# KiCad board dalishen_pi_h7p20.kicad_pcb (continued)
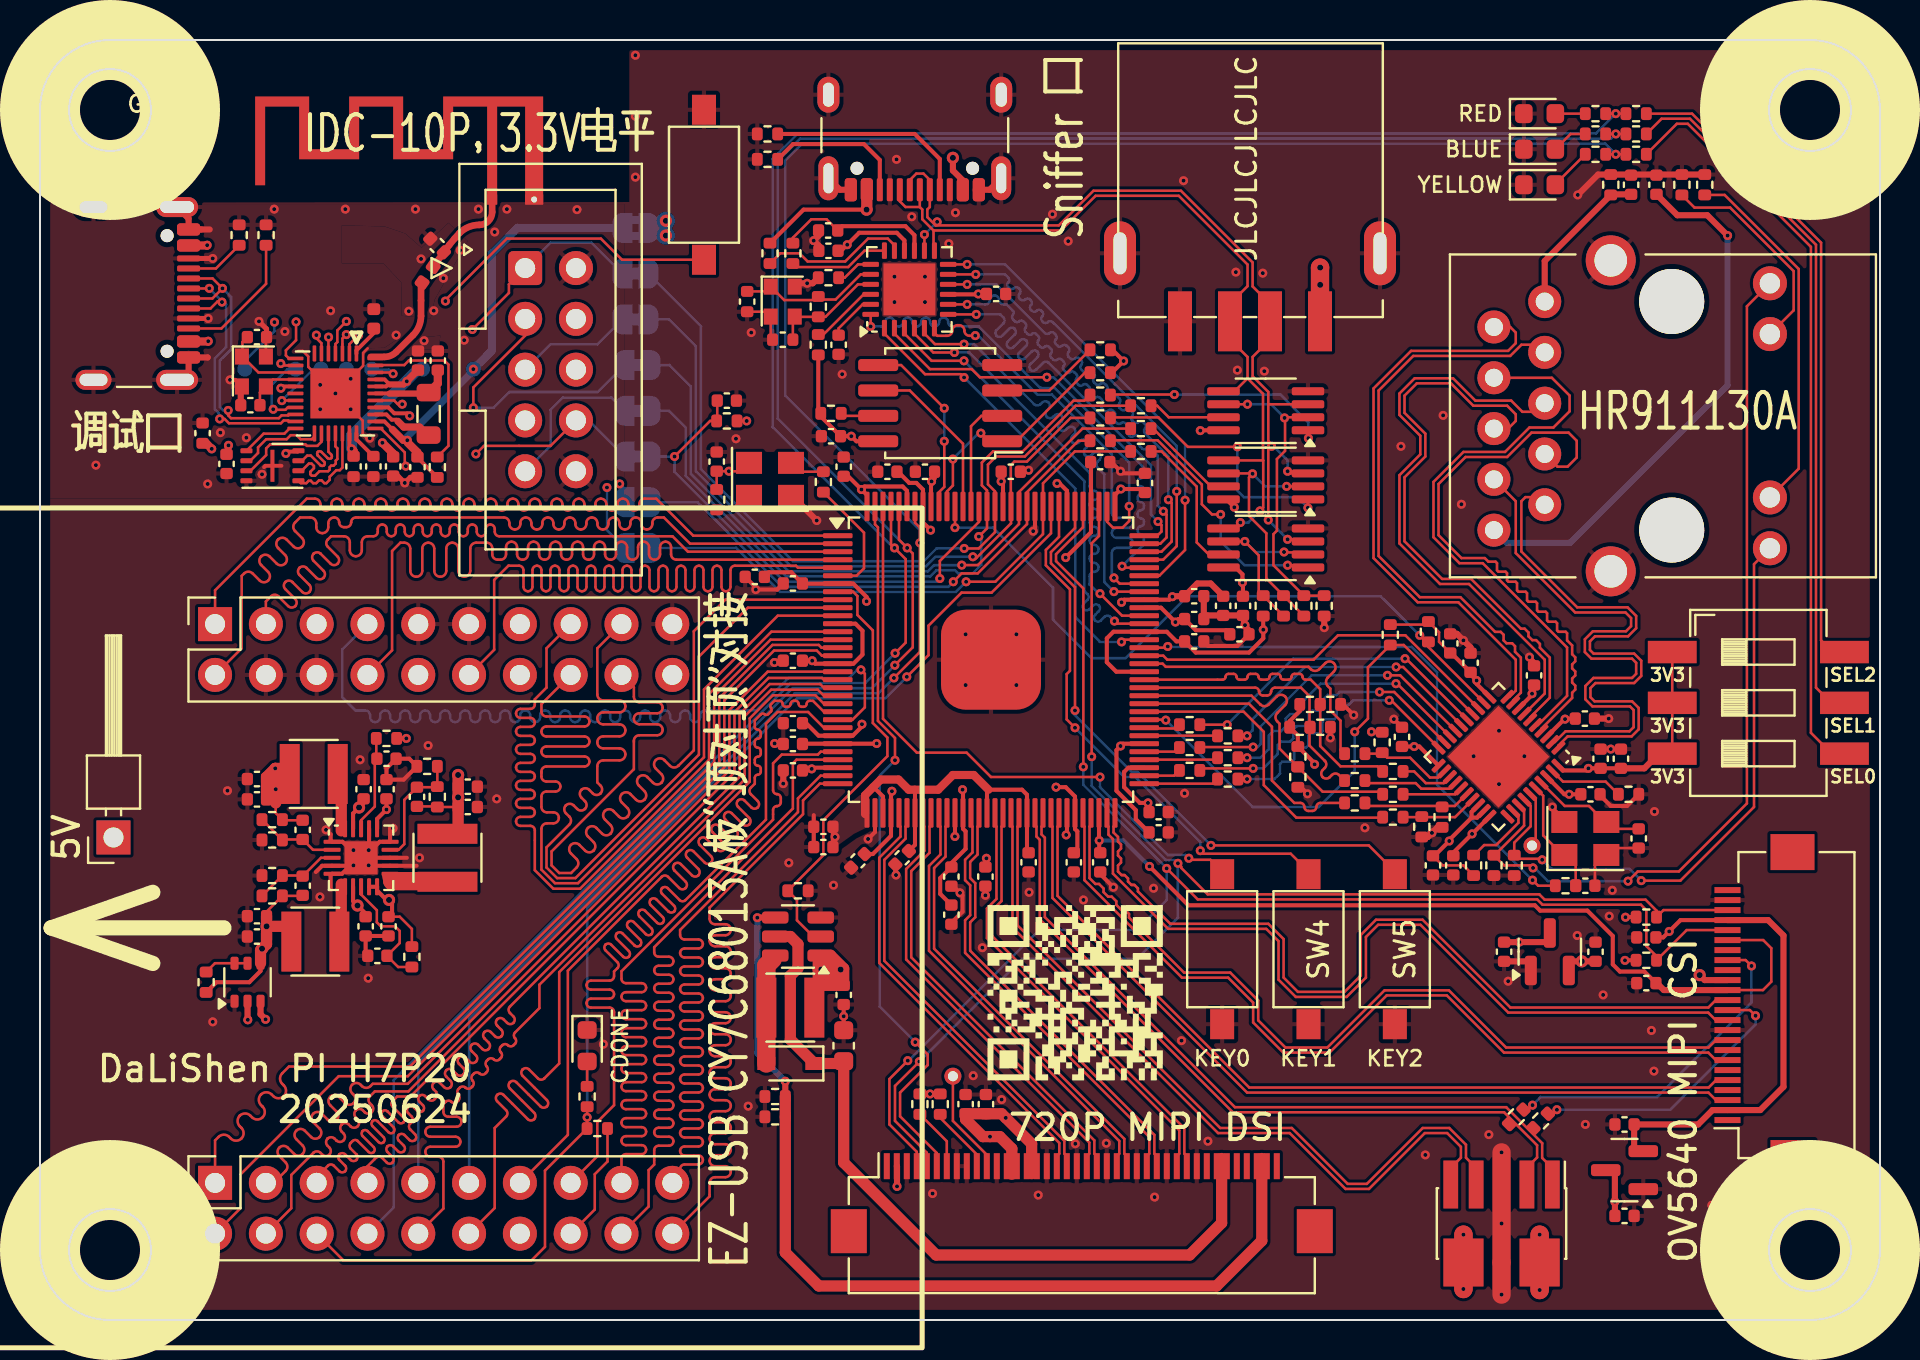
[diagram p0: board, top side]
## Routing (per net, layer and track width the routed paths; a pad name or vN(x,y) marks a point on that pad's centre or on a via; arc(x,y) is an arc through that point) (continued)
/B9_IO2N: length 37.1
  Top w0.127: J1.9 70.54,7.61 71.05,8.11 71.05,8.66 70.36,9.35 69.24,9.35 66.45,6.55 65.28,6.55 62.49,9.35 58.9,9.35 48.62,19.63 48.62,24.67 48.55,24.74 U3.51
/B9_IO2P: length 37.1
  Top w0.127: U3.52 48.95,24.74 48.88,24.67 48.88,19.73 59.01,9.6 62.59,9.6 65.38,6.81 66.34,6.81 69.14,9.6 70.46,9.6 71.3,8.76 71.3,8.11 71.81,7.61 71.81,6.78
/B9_IO4N: length 37.1
  Top w0.127: J1.3 74.35,7.62 74.85,8.13 74.85,8.74 73.2,10.39 59.64,10.39 49.99,20.04 49.99,24.01 49.82,24.18 49.82,24.67 49.75,24.74 U3.54
/B9_IO4P: length 37.1
  Top w0.127: J1.1 75.62,7.59 75.11,8.1 75.11,8.84 73.31,10.64 59.75,10.64 50.24,20.15 50.24,24.12 50.08,24.28 50.08,24.67 50.15,24.74 U3.55
/B9_IO6N: length 42.2
  Top w0.127: U3.56 50.55,24.74 50.62,24.67 50.62,21.1 60.36,11.37 83.42,11.37 83.8,11 J7.3
/B9_IO6P: length 41.8
  Top w0.127: U3.57 50.95,24.74 50.88,24.67 50.88,21.21 60.46,11.62 83.43,11.62 83.81,12 J7.5
/B9_IO9N: length 42.2
  Top w0.127: U3.60 52.15,24.74 52.22,24.67 52.22,21.99 57.1,17.12 59.41,17.12 60.66,15.87 60.66,14.88 62.17,13.37 64.47,13.37 67.33,16.23 70.34,16.23 73.2,13.37 83.42,13.37 83.79,13 J7.7
/B9_IO9P: length 42.2
  Top w0.127: U3.61 52.55,24.74 52.48,24.67 52.48,22.1 52.77,21.81 52.95,21.81 53.18,21.58 53.18,21.4 53.41,21.17 53.59,21.17 53.81,20.94 53.81,20.76 54.04,20.53 54.22,20.53 54.45,20.31 54.45,20.12 54.68,19.9 54.86,19.9 55.09,19.67 55.09,19.49 57.2,17.37 59.51,17.37 60.91,15.98 60.91,14.99 62.27,13.62 64.37,13.62 67.23,16.48 70.45,16.48 73.31,13.62 83.43,13.62 83.8,14 J7.9
/B9_IO12N: length 42.2
  Top w0.127: U3.63 53.35,24.74 53.42,24.67 53.42,24.27 53.65,24.05 53.65,22.32 56.41,19.56 61.31,19.56 61.93,18.94 61.93,17.02 62.79,16.15 65.33,16.15 66.3,17.12 66.3,19.15 66.9,19.76 69.02,19.76 73.41,15.37 83.41,15.37 83.78,15 J7.11
/B9_IO12P: length 42.2
  Top w0.127: J7.13 83.79,16 83.42,15.62 73.52,15.62 69.13,20.02 66.8,20.02 66.04,19.26 66.04,17.22 65.22,16.41 62.9,16.41 62.18,17.12 62.18,19.05 61.42,19.81 56.52,19.81 54.9,21.43 54.9,21.58 54.72,21.76 54.57,21.76 54.4,21.93 54.4,22.08 54.23,22.25 54.08,22.25 53.9,22.43 53.9,22.73 54.05,22.88 54.05,23.08 53.9,23.23 53.9,23.43 54.05,23.58 54.05,23.78 53.9,23.93 53.9,24.16 53.68,24.38 53.68,24.67 53.75,24.74 U3.64
/B10_IO2N: length 21.9
  Top w0.127: J9.18 50.84,8.19 50.96,8.31 50.96,8.85 41.96,17.85 41.96,23.12 43.02,24.18 43.02,24.67 42.95,24.74 U3.37
/B10_IO2P: length 21.9
  Top w0.127: J9.19 51.34,8.19 51.22,8.31 51.22,8.96 42.22,17.96 42.22,23.01 43.28,24.07 43.28,24.67 43.35,24.74 U3.38
/B10_IO4N: length 21.9
  Top w0.127: J9.21 52.34,8.19 52.46,8.31 52.46,8.88 43.31,18.03 43.31,22.56 44.22,23.47 44.22,24.67 44.15,24.74 U3.40
/B10_IO4P: length 21.9
  Top w0.127: U3.41 44.55,24.74 44.48,24.67 44.48,23.36 43.56,22.45 43.56,18.14 52.72,8.98 52.72,8.31 52.84,8.19 J9.22
/B10_IO6N: length 21.9
  Top w0.127: U3.42 44.95,24.74 45.02,24.67 45.02,23.28 44.45,22.71 44.45,18.46 53.96,8.95 53.96,8.31 53.84,8.19 J9.24
/B10_IO6P: length 21.9
  Top w0.127: U3.43 45.35,24.74 45.28,24.67 45.28,23.17 44.71,22.6 44.71,18.57 54.22,9.06 54.22,8.31 54.34,8.19 J9.25
/B10_IO9N: length 21.9
  Top w0.127: J9.27 55.34,8.19 55.46,8.31 55.46,9.15 46.25,18.36 46.25,19.99 46.51,20.24 46.51,21.74 46.25,21.99 46.25,23.01 46.62,23.38 46.62,24.67 46.55,24.74 U3.46
/B10_IO9P: length 21.9
  Top w0.127: U3.47 46.95,24.74 46.88,24.67 46.88,23.28 46.51,22.91 46.51,22.1 46.76,21.84 46.76,20.14 46.51,19.88 46.51,18.47 55.72,9.26 55.72,8.31 55.84,8.19 J9.28
/B10_IO12N: length 21.9
  Top w0.127: J9.30 56.84,8.19 56.96,8.31 56.96,9.48 47.35,19.1 47.35,20.58 47.82,21.06 47.82,24.67 47.75,24.74 U3.49
/B10_IO12P: length 21.9
  Top w0.127: J9.31 57.34,8.19 57.22,8.31 57.22,9.59 47.6,19.2 47.6,20.48 48.08,20.95 48.08,24.67 48.15,24.74 U3.50
/CRST_N: length 25.9
  Top w0.127: C46.2 33.86,44.99 R61.2 33.5,44.96 v1(31.73,43.18) ; U3.114 46.95,39.91 44.99,37.96 v1(44.99,37.08)
  Bottom w0.127: JP9.1 v1(31.73,43.18) 31.73,42.41 37.22,36.92 44.83,36.92 v1(44.99,37.08)
/CY_FD_0: length 46.3
  Top w0.127: CY_J1.15 25.33,33.59 25.33,31.62 24.74,31.04 24.74,30.78 arc(24.67,30.63) 24.52,30.56 24.03,30.56 arc(23.87,30.49) 23.8,30.33 arc(23.87,30.18) 24.03,30.11 24.52,30.11 arc(24.67,30.04) 24.74,29.88 arc(24.67,29.73) 24.52,29.66 24.03,29.66 arc(23.87,29.59) 23.8,29.43 arc(23.87,29.28) 24.03,29.21 24.52,29.21 arc(24.67,29.14) 24.74,28.98 arc(24.67,28.83) 24.52,28.76 24.03,28.76 arc(23.87,28.69) 23.8,28.53 arc(23.87,28.38) 24.03,28.31 24.52,28.31 arc(24.67,28.24) 24.74,28.08 arc(24.67,27.93) 24.52,27.86 24.03,27.86 arc(23.87,27.79) 23.8,27.63 arc(23.87,27.48) 24.03,27.41 24.52,27.41 arc(24.67,27.34) 24.74,27.18 arc(24.67,27.03) 24.52,26.96 24.03,26.96 arc(23.87,26.89) 23.8,26.73 arc(23.87,26.58) 24.03,26.51 24.52,26.51 arc(24.67,26.44) 24.74,26.28 arc(24.67,26.13) 24.52,26.06 24.03,26.06 arc(23.87,25.99) 23.8,25.83 arc(23.87,25.68) 24.03,25.61 24.52,25.61 arc(24.67,25.54) 24.74,25.38 arc(24.67,25.23) 24.52,25.16 24.03,25.16 arc(23.87,25.09) 23.8,24.93 arc(23.87,24.78) 24.03,24.71 24.52,24.71 arc(24.67,24.64) 24.74,24.48 24.74,22.49 25.67,21.56 27,21.56 33.45,28.02 33.45,31.3 36.57,34.42 U3.13
/CY_FD_1: length 48.8
  Top w0.127: U3.11 36.89,35.22 33.2,31.53 33.2,28.14 26.9,21.84 25.75,21.84 25.07,22.52 25.07,24.56 arc(25.15,24.76) 25.35,24.84 25.67,24.84 arc(25.86,24.92) 25.94,25.11 arc(25.86,25.31) 25.67,25.39 25.35,25.39 arc(25.15,25.47) 25.07,25.66 25.07,26.18 arc(25.14,26.35) 25.32,26.43 25.77,26.43 arc(25.95,26.5) 26.02,26.68 arc(25.95,26.85) 25.77,26.93 25.32,26.93 arc(25.14,27) 25.07,27.18 25.07,27.43 arc(25.14,27.61) 25.32,27.68 27.22,27.68 arc(27.4,27.75) 27.47,27.93 arc(27.4,28.11) 27.22,28.18 25.32,28.18 arc(25.14,28.25) 25.07,28.43 arc(25.14,28.61) 25.32,28.68 27.22,28.68 arc(27.4,28.75) 27.47,28.93 arc(27.4,29.11) 27.22,29.18 25.32,29.18 arc(25.14,29.25) 25.07,29.43 arc(25.14,29.61) 25.32,29.68 27.22,29.68 arc(27.4,29.75) 27.47,29.93 arc(27.4,30.11) 27.22,30.18 25.32,30.18 arc(25.14,30.25) 25.07,30.43 25.07,30.8 CY_J1.16
/CY_FD_2: length 46.3
  Top w0.127: CY_J1.17 27.87,33.59 27.87,31.29 arc(27.95,31.07) 28.16,30.99 28.97,30.99 arc(29.18,30.9) 29.27,30.69 arc(29.18,30.47) 28.97,30.39 28.16,30.39 arc(27.95,30.3) 27.87,30.09 arc(27.95,29.87) 28.16,29.79 28.97,29.79 arc(29.18,29.7) 29.27,29.49 arc(29.18,29.27) 28.97,29.19 28.16,29.19 arc(27.95,29.1) 27.87,28.89 arc(27.95,28.67) 28.16,28.59 28.97,28.59 arc(29.18,28.5) 29.27,28.29 arc(29.18,28.07) 28.97,27.99 28.16,27.99 arc(27.95,27.9) 27.87,27.69 27.87,26.88 28.03,26.72 arc(28.11,26.53) 28.03,26.33 arc(27.83,26.25) 27.64,26.33 27.46,26.51 arc(27.27,26.59) 27.07,26.51 arc(26.99,26.32) 27.07,26.12 27.25,25.95 arc(27.33,25.75) 27.25,25.56 arc(27.05,25.48) 26.86,25.56 26.68,25.73 arc(26.49,25.81) 26.29,25.73 arc(26.21,25.54) 26.29,25.34 26.47,25.17 arc(26.55,24.97) 26.47,24.78 25.33,23.63 25.33,22.63 25.85,22.1 26.77,22.1 32.94,28.27 32.94,33.17 35.39,35.62 U3.10
/CY_FD_3: length 48.8
  Top w0.127: U3.9 34.27,36.02 32.69,34.44 32.69,28.49 31.92,27.72 arc(31.71,27.63) 31.5,27.72 31.21,28 arc(31,28.09) 30.79,28 arc(30.7,27.79) 30.79,27.58 31.07,27.29 arc(31.16,27.08) 31.07,26.87 arc(30.86,26.78) 30.65,26.87 30.36,27.15 arc(30.15,27.24) 29.94,27.15 arc(29.85,26.94) 29.94,26.73 30.22,26.44 arc(30.31,26.23) 30.22,26.02 arc(30.01,25.93) 29.8,26.02 29.52,26.3 arc(29.3,26.39) 29.09,26.3 arc(29,26.09) 29.09,25.88 29.37,25.6 arc(29.46,25.38) 29.37,25.17 arc(29.16,25.08) 28.95,25.17 28.67,25.45 arc(28.46,25.54) 28.24,25.45 arc(28.16,25.24) 28.24,25.03 28.53,24.75 arc(28.61,24.54) 28.53,24.32 arc(28.31,24.24) 28.1,24.32 27.82,24.61 arc(27.61,24.69) 27.39,24.61 arc(27.31,24.39) 27.39,24.18 27.68,23.9 arc(27.77,23.69) 27.68,23.47 arc(27.47,23.39) 27.25,23.47 26.97,23.76 arc(26.76,23.85) 26.55,23.76 arc(26.46,23.55) 26.55,23.33 26.83,23.05 arc(26.92,22.84) 26.83,22.63 26.56,22.35 25.96,22.35 25.58,22.73 25.58,23.43 29.69,27.55 29.69,28.97 arc(29.77,29.16) 29.97,29.24 30.86,29.24 arc(31.05,29.32) 31.13,29.52 arc(31.05,29.71) 30.86,29.79 29.97,29.79 arc(29.77,29.87) 29.69,30.07 arc(29.77,30.26) 29.97,30.34 30.86,30.34 arc(31.05,30.42) 31.13,30.62 arc(31.05,30.81) 30.86,30.89 29.97,30.89 arc(29.77,30.97) 29.69,31.17 29.69,31.64 CY_J1.18
/CY_FD_4: length 46.3
  Top w0.127: CY_J2.20 33.48,6.18 33.48,6.87 arc(33.56,7.06) 33.75,7.14 34.27,7.14 arc(34.46,7.22) 34.54,7.42 arc(34.46,7.61) 34.27,7.69 33.75,7.69 arc(33.56,7.77) 33.48,7.97 arc(33.56,8.16) 33.75,8.24 34.27,8.24 arc(34.46,8.32) 34.54,8.52 arc(34.46,8.71) 34.27,8.79 33.75,8.79 arc(33.56,8.87) 33.48,9.07 arc(33.56,9.26) 33.75,9.34 34.27,9.34 arc(34.46,9.42) 34.54,9.62 arc(34.46,9.81) 34.27,9.89 33.75,9.89 arc(33.56,9.97) 33.48,10.17 arc(33.56,10.36) 33.75,10.44 34.27,10.44 arc(34.46,10.52) 34.54,10.72 arc(34.46,10.91) 34.27,10.99 33.75,10.99 arc(33.56,11.07) 33.48,11.27 arc(33.56,11.46) 33.75,11.54 34.27,11.54 arc(34.46,11.62) 34.54,11.82 arc(34.46,12.01) 34.27,12.09 33.75,12.09 arc(33.56,12.17) 33.48,12.37 arc(33.56,12.56) 33.75,12.64 34.27,12.64 arc(34.46,12.72) 34.54,12.92 arc(34.46,13.11) 34.27,13.19 33.75,13.19 arc(33.56,13.27) 33.48,13.47 arc(33.56,13.66) 33.75,13.74 34.27,13.74 arc(34.46,13.82) 34.54,14.02 arc(34.46,14.21) 34.27,14.29 33.75,14.29 arc(33.56,14.37) 33.48,14.57 arc(33.56,14.76) 33.75,14.84 34.27,14.84 arc(34.46,14.92) 34.54,15.12 arc(34.46,15.31) 34.27,15.39 33.75,15.39 arc(33.56,15.47) 33.48,15.67 arc(33.56,15.86) 33.75,15.94 34.27,15.94 arc(34.46,16.02) 34.54,16.22 arc(34.46,16.41) 34.27,16.49 33.75,16.49 arc(33.56,16.57) 33.48,16.77 arc(33.56,16.96) 33.75,17.04 34.27,17.04 arc(34.46,17.12) 34.54,17.32 arc(34.46,17.51) 34.27,17.59 33.75,17.59 arc(33.56,17.67) 33.48,17.87 arc(33.56,18.06) 33.75,18.14 34.27,18.14 arc(34.46,18.22) 34.54,18.42 arc(34.46,18.61) 34.27,18.69 33.75,18.69 arc(33.56,18.77) 33.48,18.97 arc(33.56,19.16) 33.75,19.24 34.27,19.24 arc(34.46,19.32) 34.54,19.52 arc(34.46,19.71) 34.27,19.79 33.75,19.79 arc(33.56,19.87) 33.48,20.07 33.48,20.62 38.15,25.29 38.15,25.98 38.99,26.82 U3.32
/CY_FD_5: length 48.9
  Top w0.127: CY_J2.19 32.01,7.25 32.01,7.55 arc(32.07,7.71) 32.23,7.78 32.92,7.78 arc(33.08,7.84) 33.14,8 arc(33.08,8.16) 32.92,8.23 32.23,8.23 arc(32.07,8.29) 32.01,8.45 arc(32.07,8.61) 32.23,8.68 32.92,8.68 arc(33.08,8.74) 33.14,8.9 arc(33.08,9.06) 32.92,9.13 32.23,9.13 arc(32.07,9.19) 32.01,9.35 arc(32.07,9.51) 32.23,9.58 32.92,9.58 arc(33.08,9.64) 33.14,9.8 arc(33.08,9.96) 32.92,10.03 32.23,10.03 arc(32.07,10.09) 32.01,10.25 arc(32.07,10.41) 32.23,10.48 32.92,10.48 arc(33.08,10.54) 33.14,10.7 arc(33.08,10.86) 32.92,10.93 32.23,10.93 arc(32.07,10.99) 32.01,11.15 arc(32.07,11.31) 32.23,11.38 32.92,11.38 arc(33.08,11.44) 33.14,11.6 arc(33.08,11.76) 32.92,11.83 32.23,11.83 arc(32.07,11.89) 32.01,12.05 arc(32.07,12.21) 32.23,12.28 32.92,12.28 arc(33.08,12.34) 33.14,12.5 arc(33.08,12.66) 32.92,12.73 32.23,12.73 arc(32.07,12.79) 32.01,12.95 arc(32.07,13.11) 32.23,13.18 32.92,13.18 arc(33.08,13.24) 33.14,13.4 arc(33.08,13.56) 32.92,13.63 32.23,13.63 arc(32.07,13.69) 32.01,13.85 arc(32.07,14.01) 32.23,14.08 32.92,14.08 arc(33.08,14.14) 33.14,14.3 arc(33.08,14.46) 32.92,14.53 32.23,14.53 arc(32.07,14.59) 32.01,14.75 arc(32.07,14.91) 32.23,14.98 32.92,14.98 arc(33.08,15.04) 33.14,15.2 arc(33.08,15.36) 32.92,15.43 32.23,15.43 arc(32.07,15.49) 32.01,15.65 arc(32.07,15.81) 32.23,15.88 32.92,15.88 arc(33.08,15.94) 33.14,16.1 arc(33.08,16.26) 32.92,16.33 32.23,16.33 arc(32.07,16.39) 32.01,16.55 arc(32.07,16.71) 32.23,16.78 32.92,16.78 arc(33.08,16.84) 33.14,17 arc(33.08,17.16) 32.92,17.23 32.23,17.23 arc(32.07,17.29) 32.01,17.45 arc(32.07,17.61) 32.23,17.68 32.92,17.68 arc(33.08,17.74) 33.14,17.9 arc(33.08,18.06) 32.92,18.13 32.23,18.13 arc(32.07,18.19) 32.01,18.35 arc(32.07,18.51) 32.23,18.58 32.92,18.58 arc(33.08,18.64) 33.14,18.8 arc(33.08,18.96) 32.92,19.03 32.23,19.03 arc(32.07,19.09) 32.01,19.25 32.01,19.51 37.9,25.4 37.9,26.09 39.03,27.22 U3.31
/CY_FD_6: length 46.3
  Top w0.127: CY_J2.18 30.43,5.67 30.43,7.49 30.71,7.77 30.71,8.49 arc(30.78,8.65) 30.93,8.71 31.45,8.71 arc(31.6,8.78) 31.67,8.94 arc(31.6,9.1) 31.45,9.16 30.93,9.16 arc(30.78,9.23) 30.71,9.39 arc(30.78,9.55) 30.93,9.61 31.45,9.61 arc(31.6,9.68) 31.67,9.84 arc(31.6,10) 31.45,10.06 30.93,10.06 arc(30.78,10.13) 30.71,10.29 arc(30.78,10.45) 30.93,10.51 31.45,10.51 arc(31.6,10.58) 31.67,10.74 arc(31.6,10.9) 31.45,10.96 30.93,10.96 arc(30.78,11.03) 30.71,11.19 arc(30.78,11.35) 30.93,11.41 31.45,11.41 arc(31.6,11.48) 31.67,11.64 arc(31.6,11.8) 31.45,11.86 30.93,11.86 arc(30.78,11.93) 30.71,12.09 arc(30.78,12.25) 30.93,12.31 31.45,12.31 arc(31.6,12.38) 31.67,12.54 arc(31.6,12.7) 31.45,12.76 30.93,12.76 arc(30.78,12.83) 30.71,12.99 arc(30.78,13.15) 30.93,13.21 31.45,13.21 arc(31.6,13.28) 31.67,13.44 arc(31.6,13.6) 31.45,13.66 30.93,13.66 arc(30.78,13.73) 30.71,13.89 arc(30.78,14.05) 30.93,14.11 31.45,14.11 arc(31.6,14.18) 31.67,14.34 arc(31.6,14.5) 31.45,14.56 30.93,14.56 arc(30.78,14.63) 30.71,14.79 arc(30.78,14.95) 30.93,15.01 31.45,15.01 arc(31.6,15.08) 31.67,15.24 arc(31.6,15.4) 31.45,15.46 30.93,15.46 arc(30.78,15.53) 30.71,15.69 arc(30.78,15.85) 30.93,15.91 31.45,15.91 arc(31.6,15.98) 31.67,16.14 arc(31.6,16.3) 31.45,16.36 30.93,16.36 arc(30.78,16.43) 30.71,16.59 arc(30.78,16.75) 30.93,16.81 31.45,16.81 arc(31.6,16.88) 31.67,17.04 arc(31.6,17.2) 31.45,17.26 30.93,17.26 arc(30.78,17.33) 30.71,17.49 arc(30.78,17.65) 30.93,17.71 31.45,17.71 arc(31.6,17.78) 31.67,17.94 arc(31.6,18.1) 31.45,18.16 30.93,18.16 arc(30.78,18.23) 30.71,18.39 30.71,18.64 37.64,25.58 37.64,27.84 37.83,28.02 U3.29
/CY_FD_7: length 48.8
  Top w0.127: U3.28 39.04,28.42 38.89,28.27 37.09,28.27 36.65,27.84 36.65,26.49 arc(36.71,26.36) 36.85,26.3 arc(36.98,26.24) 37.04,26.11 37.04,25.89 arc(36.98,25.76) 36.85,25.7 arc(36.71,25.64) 36.65,25.51 36.65,25.02 29.07,17.44 29.07,17.07 arc(29.14,16.91) 29.3,16.84 30.08,16.84 arc(30.24,16.78) 30.31,16.62 arc(30.24,16.46) 30.08,16.39 29.3,16.39 arc(29.14,16.33) 29.07,16.17 arc(29.14,16.01) 29.3,15.94 30.08,15.94 arc(30.24,15.88) 30.31,15.72 arc(30.24,15.56) 30.08,15.49 29.3,15.49 arc(29.14,15.43) 29.07,15.27 arc(29.14,15.11) 29.3,15.04 30.08,15.04 arc(30.24,14.98) 30.31,14.82 arc(30.24,14.66) 30.08,14.59 29.3,14.59 arc(29.14,14.53) 29.07,14.37 arc(29.14,14.21) 29.3,14.14 30.08,14.14 arc(30.24,14.08) 30.31,13.92 arc(30.24,13.76) 30.08,13.69 29.3,13.69 arc(29.14,13.63) 29.07,13.47 arc(29.14,13.31) 29.3,13.24 30.08,13.24 arc(30.24,13.18) 30.31,13.02 arc(30.24,12.86) 30.08,12.79 29.3,12.79 arc(29.14,12.73) 29.07,12.57 arc(29.14,12.41) 29.3,12.34 30.08,12.34 arc(30.24,12.28) 30.31,12.12 arc(30.24,11.96) 30.08,11.89 29.3,11.89 arc(29.14,11.83) 29.07,11.67 arc(29.14,11.51) 29.3,11.44 30.08,11.44 arc(30.24,11.38) 30.31,11.22 arc(30.24,11.06) 30.08,10.99 29.3,10.99 arc(29.14,10.93) 29.07,10.77 arc(29.14,10.61) 29.3,10.54 30.08,10.54 arc(30.24,10.48) 30.31,10.32 arc(30.24,10.16) 30.08,10.09 29.3,10.09 arc(29.14,10.03) 29.07,9.87 arc(29.14,9.71) 29.3,9.64 30.08,9.64 arc(30.24,9.58) 30.31,9.42 arc(30.24,9.26) 30.08,9.19 29.3,9.19 arc(29.14,9.13) 29.07,8.97 arc(29.14,8.81) 29.3,8.74 30.08,8.74 arc(30.24,8.68) 30.31,8.52 arc(30.24,8.36) 30.08,8.29 29.3,8.29 arc(29.14,8.23) 29.07,8.07 CY_J2.17
/CY_FD_8: length 48.9
  Top w0.127: U3.19 39.19,32.02 39.1,32.11 36.43,32.11 34.72,30.4 34.72,27.38 18.52,11.18 17.86,11.18 17.61,10.93 arc(17.56,10.81) 17.61,10.69 18.17,10.13 arc(18.22,10.01) 18.17,9.88 arc(18.05,9.83) 17.92,9.88 17.37,10.44 arc(17.24,10.49) 17.12,10.44 arc(17.07,10.31) 17.12,10.19 17.68,9.63 arc(17.73,9.51) 17.68,9.39 arc(17.55,9.34) 17.43,9.39 16.87,9.94 arc(16.75,9.99) 16.62,9.94 arc(16.57,9.82) 16.62,9.7 17.18,9.14 arc(17.23,9.02) 17.18,8.89 arc(17.06,8.84) 16.93,8.89 16.38,9.45 arc(16.25,9.5) 16.13,9.45 arc(16.08,9.32) 16.13,9.2 16.69,8.64 arc(16.74,8.52) 16.69,8.4 arc(16.56,8.35) 16.44,8.4 15.88,8.95 arc(15.76,9) 15.63,8.95 15.53,8.85 arc(15.48,8.71) 15.53,8.57 15.82,8.29 arc(15.88,8.15) 15.82,8 arc(15.68,7.95) 15.53,8 15.25,8.29 arc(15.11,8.35) 14.97,8.29 arc(14.91,8.15) 14.97,8 15.25,7.72 arc(15.31,7.58) 15.25,7.44 arc(15.11,7.38) 14.97,7.44 14.69,7.72 arc(14.54,7.78) 14.4,7.72 13.83,7.15 CY_J2.5
/CY_FD_9: length 46.3
  Top w0.127: U3.18 36.38,32.42 34.47,30.51 34.47,27.48 18.42,11.43 16.74,11.43 16.5,11.19 arc(16.43,11.01) 16.5,10.84 16.59,10.75 arc(16.66,10.57) 16.59,10.39 arc(16.41,10.32) 16.23,10.39 16.14,10.48 arc(15.97,10.55) 15.79,10.48 arc(15.72,10.3) 15.79,10.13 15.88,10.04 arc(15.95,9.86) 15.88,9.68 arc(15.7,9.61) 15.53,9.68 15.44,9.77 arc(15.26,9.85) 15.08,9.77 arc(15.01,9.6) 15.08,9.42 15.17,9.33 arc(15.25,9.15) 15.17,8.98 arc(15,8.9) 14.82,8.98 14.73,9.07 arc(14.55,9.14) 14.38,9.07 arc(14.3,8.89) 14.38,8.71 14.47,8.62 arc(14.54,8.45) 14.47,8.27 arc(14.29,8.2) 14.11,8.27 14.02,8.36 arc(13.85,8.43) 13.67,8.36 12.56,7.25 12.56,5.59 CY_J2.4
/CY_FD_10: length 48.9
  Top w0.127: U3.16 39.09,33.22 38.84,33.48 36.7,33.48 34.22,30.99 34.22,27.64 18.39,11.81 16.64,11.81 16.52,11.7 arc(16.31,11.61) 16.1,11.7 16.03,11.77 arc(15.82,11.85) 15.61,11.77 arc(15.52,11.55) 15.61,11.34 15.68,11.27 arc(15.76,11.06) 15.68,10.85 arc(15.46,10.76) 15.25,10.85 14.93,11.16 arc(14.72,11.25) 14.51,11.16 arc(14.42,10.95) 14.51,10.74 14.83,10.42 arc(14.91,10.21) 14.83,10 arc(14.61,9.91) 14.4,10 14.09,10.32 arc(13.87,10.4) 13.66,10.32 arc(13.57,10.1) 13.66,9.89 13.98,9.58 arc(14.07,9.36) 13.98,9.15 arc(13.77,9.06) 13.55,9.15 13.24,9.47 arc(13.03,9.56) 12.81,9.47 arc(12.73,9.26) 12.81,9.04 13.13,8.73 arc(13.22,8.51) 13.13,8.3 arc(12.92,8.21) 12.71,8.3 12.39,8.62 arc(12.18,8.71) 11.97,8.62 arc(11.88,8.41) 11.97,8.19 12.28,7.88 arc(12.37,7.67) 12.28,7.45 11.69,6.86 CY_J2.3
/CY_FD_11: length 46.3
  Top w0.127: U3.15 39.08,33.62 38.94,33.76 36.62,33.76 33.96,31.09 33.96,27.76 18.39,12.19 14.94,12.19 10.02,7.28 10.02,5.59 CY_J2.2
/CY_FD_12: length 48.8
  Top w0.127: U3.14 36.53,34.02 33.71,31.2 33.71,27.89 18.49,12.67 12.45,12.67 12.11,12.34 arc(12,12.07) 12.11,11.81 12.19,11.73 arc(12.3,11.46) 12.19,11.2 arc(11.93,11.09) 11.66,11.2 11.58,11.28 arc(11.32,11.39) 11.05,11.28 arc(10.94,11.01) 11.05,10.75 11.13,10.67 arc(11.24,10.4) 11.13,10.14 arc(10.87,10.03) 10.6,10.14 10.52,10.22 arc(10.26,10.33) 9.99,10.22 arc(9.88,9.95) 9.99,9.69 10.07,9.61 arc(10.18,9.34) 10.07,9.08 arc(9.81,8.97) 9.54,9.08 9.46,9.16 arc(9.19,9.27) 8.93,9.16 8.75,8.98 CY_J2.1
/CY_FD_13: length 46.3
  Top w0.127: CY_J1.1 8.75,36.49 13.34,41.07 13.74,41.07 arc(13.94,40.99) 14.02,40.8 14.02,40.75 arc(14.1,40.56) 14.29,40.48 arc(14.49,40.56) 14.57,40.75 14.57,40.8 arc(14.65,40.99) 14.84,41.07 arc(15.04,40.99) 15.12,40.8 15.12,40.75 arc(15.2,40.56) 15.39,40.48 arc(15.59,40.56) 15.67,40.75 15.67,40.8 arc(15.75,40.99) 15.94,41.07 arc(16.14,40.99) 16.22,40.8 16.22,40.75 arc(16.3,40.56) 16.49,40.48 arc(16.69,40.56) 16.77,40.75 16.77,40.8 arc(16.85,40.99) 17.04,41.07 arc(17.24,40.99) 17.32,40.8 17.32,40.75 arc(17.4,40.56) 17.59,40.48 arc(17.79,40.56) 17.87,40.75 17.87,40.8 arc(17.95,40.99) 18.14,41.07 arc(18.34,40.99) 18.42,40.8 18.42,40.75 arc(18.5,40.56) 18.69,40.48 arc(18.89,40.56) 18.97,40.75 18.97,40.8 arc(19.05,40.99) 19.24,41.07 arc(19.44,40.99) 19.52,40.8 19.52,40.75 arc(19.6,40.56) 19.79,40.48 arc(19.99,40.56) 20.07,40.75 20.07,40.8 arc(20.15,40.99) 20.34,41.07 arc(20.54,40.99) 20.62,40.8 20.62,40.75 arc(20.7,40.56) 20.89,40.48 arc(21.09,40.56) 21.17,40.75 21.17,40.8 arc(21.25,40.99) 21.44,41.07 arc(21.64,40.99) 21.72,40.8 21.72,40.75 arc(21.8,40.56) 21.99,40.48 arc(22.19,40.56) 22.27,40.75 22.27,40.8 arc(22.35,40.99) 22.54,41.07 arc(22.74,40.99) 22.82,40.8 22.82,40.75 arc(22.9,40.56) 23.09,40.48 arc(23.29,40.56) 23.37,40.75 23.37,40.8 arc(23.45,40.99) 23.64,41.07 arc(23.84,40.99) 23.92,40.8 23.92,40.75 arc(24,40.56) 24.19,40.48 arc(24.39,40.56) 24.47,40.75 24.47,40.8 arc(24.55,40.99) 24.74,41.07 arc(24.94,40.99) 25.02,40.8 25.02,40.75 arc(25.1,40.56) 25.29,40.48 arc(25.49,40.56) 25.57,40.75 25.57,40.8 arc(25.65,40.99) 25.84,41.07 arc(26.04,40.99) 26.12,40.8 26.12,40.75 arc(26.2,40.56) 26.39,40.48 arc(26.59,40.56) 26.67,40.75 26.67,40.8 arc(26.75,40.99) 26.94,41.07 arc(27.14,40.99) 27.22,40.8 27.22,40.75 arc(27.3,40.56) 27.49,40.48 arc(27.69,40.56) 27.77,40.75 27.77,40.8 arc(27.85,40.99) 28.04,41.07 arc(28.24,40.99) 28.32,40.8 28.32,40.75 arc(28.4,40.56) 28.59,40.48 arc(28.79,40.56) 28.87,40.75 28.87,40.8 arc(28.95,40.99) 29.14,41.07 arc(29.34,40.99) 29.42,40.8 29.42,40.75 arc(29.5,40.56) 29.69,40.48 arc(29.89,40.56) 29.97,40.75 29.97,40.8 arc(30.05,40.99) 30.24,41.07 30.81,41.07 32.66,39.22 U3.1
/CY_FD_14: length 48.8
  Top w0.127: CY_J1.2 10.09,33.59 10.09,37.21 10.21,37.33 arc(10.42,37.42) 10.63,37.33 10.98,36.98 arc(11.2,36.89) 11.41,36.98 arc(11.5,37.19) 11.41,37.4 11.05,37.76 arc(10.97,37.97) 11.05,38.18 arc(11.27,38.27) 11.48,38.18 11.83,37.83 arc(12.04,37.74) 12.26,37.83 arc(12.34,38.04) 12.26,38.25 11.9,38.61 arc(11.82,38.82) 11.9,39.03 arc(12.12,39.12) 12.33,39.03 12.68,38.68 arc(12.89,38.59) 13.11,38.68 arc(13.19,38.89) 13.11,39.1 12.75,39.45 arc(12.66,39.67) 12.75,39.88 13.01,40.13 13.51,40.13 arc(13.73,40.04) 13.81,39.83 13.81,39.65 arc(13.9,39.44) 14.11,39.35 arc(14.33,39.44) 14.41,39.65 14.41,39.83 arc(14.5,40.04) 14.71,40.13 arc(14.89,40.06) 14.96,39.89 arc(15.03,39.72) 15.2,39.65 15.31,39.65 arc(15.49,39.72) 15.56,39.89 arc(15.63,40.06) 15.8,40.13 23.19,40.13 arc(23.39,40.05) 23.47,39.86 23.47,39.81 arc(23.55,39.61) 23.74,39.53 arc(23.94,39.61) 24.02,39.81 24.02,39.86 arc(24.1,40.05) 24.29,40.13 arc(24.49,40.05) 24.57,39.86 24.57,39.81 arc(24.65,39.61) 24.84,39.53 arc(25.04,39.61) 25.12,39.81 25.12,39.86 arc(25.2,40.05) 25.39,40.13 arc(25.59,40.05) 25.67,39.86 25.67,39.81 arc(25.75,39.61) 25.94,39.53 arc(26.14,39.61) 26.22,39.81 26.22,39.86 arc(26.3,40.05) 26.49,40.13 arc(26.69,40.05) 26.77,39.86 26.77,39.81 arc(26.85,39.61) 27.04,39.53 arc(27.24,39.61) 27.32,39.81 27.32,39.86 arc(27.4,40.05) 27.59,40.13 arc(27.79,40.05) 27.87,39.86 27.87,39.81 arc(27.95,39.61) 28.14,39.53 arc(28.34,39.61) 28.42,39.81 28.42,39.86 arc(28.5,40.05) 28.69,40.13 arc(28.89,40.05) 28.97,39.86 28.97,39.81 arc(29.05,39.61) 29.24,39.53 arc(29.44,39.61) 29.52,39.81 29.52,39.86 arc(29.6,40.05) 29.79,40.13 arc(29.99,40.05) 30.07,39.86 30.07,39.81 arc(30.15,39.61) 30.34,39.53 arc(30.54,39.61) 30.62,39.81 30.62,39.86 arc(30.7,40.05) 30.89,40.13 31.19,40.13 32.5,38.82 U3.2
/CY_FD_15: length 46.3
  Top w0.127: CY_J1.3 11.29,35.93 11.56,36.19 arc(11.73,36.27) 11.91,36.19 12.41,35.7 arc(12.58,35.63) 12.76,35.7 arc(12.83,35.88) 12.76,36.05 12.27,36.55 arc(12.19,36.73) 12.27,36.9 arc(12.44,36.98) 12.62,36.9 13.11,36.41 arc(13.29,36.33) 13.47,36.41 arc(13.54,36.58) 13.47,36.76 12.97,37.26 arc(12.9,37.43) 12.97,37.61 arc(13.15,37.68) 13.33,37.61 13.82,37.11 arc(14,37.04) 14.17,37.11 arc(14.25,37.29) 14.17,37.47 13.68,37.96 arc(13.61,38.14) 13.68,38.32 arc(13.86,38.39) 14.03,38.32 14.53,37.82 arc(14.7,37.75) 14.88,37.82 arc(14.95,38) 14.88,38.17 14.39,38.67 arc(14.31,38.85) 14.39,39.02 14.56,39.19 15.19,39.19 arc(15.4,39.1) 15.49,38.89 15.49,38.49 arc(15.58,38.28) 15.79,38.19 arc(16,38.28) 16.09,38.49 16.09,38.89 arc(16.18,39.1) 16.39,39.19 16.66,39.19 arc(16.82,39.26) 16.89,39.42 16.89,39.55 arc(16.95,39.71) 17.11,39.78 arc(17.27,39.71) 17.34,39.55 17.34,39.42 arc(17.4,39.26) 17.56,39.19 arc(17.72,39.26) 17.79,39.42 17.79,39.55 arc(17.85,39.71) 18.01,39.78 arc(18.17,39.71) 18.24,39.55 18.24,39.42 arc(18.3,39.26) 18.46,39.19 arc(18.62,39.26) 18.69,39.42 18.69,39.55 arc(18.75,39.71) 18.91,39.78 arc(19.07,39.71) 19.14,39.55 19.14,39.42 arc(19.2,39.26) 19.36,39.19 arc(19.52,39.26) 19.59,39.42 19.59,39.55 arc(19.65,39.71) 19.81,39.78 arc(19.97,39.71) 20.04,39.55 20.04,39.42 arc(20.1,39.26) 20.26,39.19 arc(20.42,39.26) 20.49,39.42 20.49,39.55 arc(20.55,39.71) 20.71,39.78 arc(20.87,39.71) 20.94,39.55 20.94,39.42 arc(21,39.26) 21.16,39.19 arc(21.32,39.26) 21.39,39.42 21.39,39.55 arc(21.45,39.71) 21.61,39.78 arc(21.77,39.71) 21.84,39.55 21.84,39.42 arc(21.9,39.26) 22.06,39.19 arc(22.22,39.26) 22.29,39.42 22.29,39.55 arc(22.35,39.71) 22.51,39.78 arc(22.67,39.71) 22.74,39.55 22.74,39.42 arc(22.8,39.26) 22.96,39.19 31.62,39.19 32.4,38.42 U3.3
/CY_FLAGA: length 6
  Top w0.127: CY_J2.16 27.74,5.52 27.74,7.29 28.38,7.93 R16.1
/CY_FLAGB: length 48.8
  Top w0.127: U3.25 39.19,29.62 38.41,30.4 36.88,30.4 36.3,29.82 36.3,25.02 32.27,20.99 arc(32.13,20.94) 31.99,20.99 31.39,21.6 arc(31.24,21.65) 31.1,21.6 arc(31.04,21.45) 31.1,21.31 31.7,20.71 arc(31.76,20.57) 31.7,20.43 arc(31.56,20.37) 31.42,20.43 30.82,21.03 arc(30.68,21.09) 30.54,21.03 arc(30.48,20.89) 30.54,20.75 31.14,20.15 arc(31.2,20) 31.14,19.86 arc(31,19.8) 30.86,19.86 30.25,20.46 arc(30.11,20.52) 29.97,20.46 arc(29.91,20.32) 29.97,20.18 30.57,19.58 arc(30.63,19.44) 30.57,19.3 arc(30.43,19.24) 30.29,19.3 29.69,19.9 arc(29.55,19.96) 29.41,19.9 arc(29.35,19.76) 29.41,19.62 30.01,19.02 arc(30.07,18.87) 30.01,18.73 arc(29.87,18.67) 29.72,18.73 29.12,19.33 arc(28.98,19.39) 28.84,19.33 arc(28.78,19.19) 28.84,19.05 29.44,18.45 arc(29.5,18.31) 29.44,18.17 arc(29.3,18.11) 29.16,18.17 28.56,18.77 arc(28.42,18.83) 28.27,18.77 arc(28.22,18.63) 28.27,18.48 28.88,17.88 arc(28.93,17.74) 28.88,17.6 28.7,17.43 28.7,17.2 arc(28.64,17.04) 28.48,16.97 27.55,16.97 arc(27.39,16.9) 27.33,16.75 arc(27.39,16.59) 27.55,16.52 28.48,16.52 arc(28.64,16.45) 28.7,16.3 arc(28.64,16.14) 28.48,16.07 27.55,16.07 arc(27.39,16) 27.33,15.85 arc(27.39,15.69) 27.55,15.62 28.48,15.62 arc(28.64,15.55) 28.7,15.4 28.7,10.74 27.87,9.91 27.87,8.19 CY_J2.15